# KiCad board 8851_HW-U1-VCU118_REV2-0_071417.kicad_pcb (continued)
## Routing (per net, layer and track width the routed paths; a pad name or vN(x,y) marks a point on that pad's centre or on a via; arc(x,y) is an arc through that point) (continued)
RLD3_C3_72B_A12: length 153.2
  TOP w0.15: 96.2,73.17 v2(95.71,73.66) ; 73.64,110.89 v2(73.15,110.4) ; U141.H11 v2(96.68,113.51)
  TOP w0.237: U141.H11 96.69,114.5 98.62,114.5 99.1,114.97 100.1,114.97 100.34,114.73
  TOP w0.375: v2(125.23,85.48) U1.C32
  07_SIG3 w0.17: v2(73.15,110.4) 72.66,109.91 67.98,109.91 67.71,110.17 67.71,110.32 67.44,110.59 66.73,110.59 ; v2(95.71,73.66) 95.42,73.66 94.92,74.16 94.52,74.16 94.23,74.44 94.23,74.79 93.88,75.14 93.52,75.14 93.22,75.44 93.22,75.93 92.9,76.25
  07_SIG3 w0.287: 66.73,110.59 66.44,110.59 66.23,110.38 66.23,109.54 66.07,109.38 65.76,109.38 65.61,109.53 65.61,110.43 65.32,110.72 64.69,110.72 64.67,110.7 63.9,110.7 63.77,110.83 63.77,111.97 64.67,112.88 64.67,114.89 64.47,115.09 63.63,115.09 63.42,114.89 63.42,113.85 63.65,113.62 63.65,112.95 62.85,112.15 62.85,111.05 62.12,110.33 62.12,109.08 62.6,108.6 62.6,105.75 63.12,105.22 63.12,105.2 64.08,104.25 65.95,104.25 66.65,103.55 68.92,103.55 69.83,104.45 70.33,104.45 71.17,103.6 74.97,103.6 75.47,103.1 76.62,103.1 77.1,102.62 77.1,102.08 76.88,101.85 76.01,101.85 75.62,101.47 75.62,100.37 77.18,98.82 77.18,98.62 77.62,98.18 80.41,98.18 81.12,97.46 81.12,94.33 80.25,93.45 73.3,93.45 73.05,93.2 73.05,87.79 74.05,86.79 74.53,86.79 74.75,87.02 75.12,87.02 75.34,86.79 75.77,86.79 76.03,87.06 76.32,87.06 76.58,86.79 77.01,86.79 77.25,87.03 77.59,87.03 77.86,86.76 80.21,86.76 81.41,87.96 82.69,87.96 82.79,87.86 84.87,87.86 88.71,84.01 88.71,83.74 88.72,83.72 88.72,80.42 92.9,76.25
  14_SIG4 w0.087: v2(96.68,113.51) 96.68,113.74 95.22,115.2 95.22,115.63 94.89,115.96 94.54,115.96 94.22,116.28 94.22,116.64 93.9,116.95 93.43,116.95 92.45,117.93 91.59,117.93 91.27,118.25 91.27,118.6 90.94,118.93 87.61,118.93 87.32,119.22 87.32,119.63 87.02,119.93 85.67,119.93 84.17,121.42 83.92,121.42 83.63,121.7 75.88,121.7 75.6,121.43 75.6,121.04 75.31,120.75 74.96,120.75 73.63,119.42 73.63,119.07 73.32,118.76 72.98,118.76 72.66,118.44 72.66,118.11 72.33,117.78 72,117.78 71.68,117.46 71.68,116.12 71.38,115.83 70.99,115.83 70.69,115.53 70.69,112.16 70.97,111.88 71.4,111.88 71.67,111.6 71.67,111.14 71.93,110.88 72.67,110.88 v2(73.15,110.4)
RLD3_C3_72B_A13: length 154.9
  TOP w0.15: 97.18,71.2 v2(96.69,71.7) ; 77.58,108.92 v2(78.07,108.43) ; U141.D13 v2(98.65,118.43)
  TOP w0.237: v2(99.64,118.43) 100.06,118.86 100.34,118.86
  03_SIG1 w0.17: 82.49,107.1 82.49,107.77 82.36,107.9 81.61,107.9 81.53,107.82 81.53,107.4 81.42,107.3 80.75,107.3 80.54,107.51 80.54,107.77 80.37,107.94 78.85,107.94 78.35,108.43 v2(78.07,108.43) ; v2(98.65,118.43) 98.33,118.43 98.17,118.27 98.17,117.11 98.01,116.95 97.42,116.95 97.17,116.7 97.17,114.84 96.19,113.86 96.19,112.31 96.47,112.03 96.92,112.03 97.17,111.78 97.17,109.37 96.88,109.08 96.42,109.08 96.19,108.84 96.19,108.36 96.33,108.22 96.33,107.96 96.41,107.88 96.73,107.88 96.82,107.79 96.82,107.54 96.73,107.45 96.41,107.45 96.33,107.36 96.33,107.22 95.85,106.75
  03_SIG1 w0.287: 95.85,106.75 95.45,106.35 94.41,106.35 94.05,105.99 94.05,105.18 93.67,104.8 92.79,104.8 92.45,105.14 92.45,105.64 92.91,106.1 92.91,106.33 92.67,106.57 92.38,106.57 92.16,106.35 86.58,106.35 86.37,106.55 85.05,106.55 84.84,106.35 84.84,106.18 85.05,105.97 85.05,105.7 84.57,105.23 84.16,105.23 84.02,105.37 84.02,105.78 84.1,105.87 84.1,106.27 83.7,106.68 83.29,106.68 83.2,106.59 82.8,106.59 82.49,106.89 82.49,107.1
  05_SIG2 w0.17: 95.21,87.8 95.21,83.29 95.49,83.01 95.97,83.01 96.2,82.79 96.2,82.31 96.48,82.03 96.96,82.03 97.18,81.81 97.18,81.29 97.43,81.05 97.94,81.05 98.17,80.82 98.17,80.29 98.39,80.06 105.91,80.06 106.04,79.93 106.04,78.22 106.21,78.05 106.75,78.05 107,77.8 107,74.38 106.83,74.2 104.24,74.2 104.07,74.37 104.07,74.84 103.77,75.14 98.34,75.14 98.17,74.97 98.17,74.52 97.85,74.2 97.35,74.2 97.18,74.03 97.18,73.43 96.92,73.17 96.42,73.17 96.2,72.94 96.2,72.19 v2(96.69,71.7) ; 87.7,106.75 86.42,108.02 83.66,108.02 83.38,108.31 83.38,112.85 83.53,113 84.45,113 85.42,113.97 85.79,113.97 86,114.18 86,114.61 85.71,114.9 84.5,114.9 84.37,115.03 84.37,116.06 84.45,116.14 85.11,116.14 85.2,116.23 85.2,116.43 85.11,116.52 84.5,116.52 84.44,116.58 84.44,116.79 84.3,116.93 82.86,116.93 82.55,116.62 82.55,116.41 82.66,116.3 83.34,116.3 83.42,116.21 83.42,116.01 83.34,115.92 82.61,115.92 82.53,115.83 82.53,115.62 82.61,115.53 83.89,115.53 83.97,115.44 83.97,115.17 83.86,115.05 82.61,115.05 82.53,114.97 82.53,114.69 82.64,114.58 84.06,114.58 84.15,114.49 84.15,114.14 84.04,114.03 82.61,114.03 82.53,113.94 82.53,111.52 82.61,111.43 82.88,111.43 82.96,111.34 82.96,110.99 82.88,110.9 82.61,110.9 82.53,110.81 82.53,110.41 82.61,110.33 82.88,110.33 82.96,110.24 82.96,110.06 82.88,109.98 82.61,109.98 82.53,109.89 82.53,109.15 82.3,108.92 78.22,108.92 78.07,108.77 v2(78.07,108.43)
  05_SIG2 w0.287: 95.21,87.8 95.21,88.74 98.08,91.6 98.08,95.15 95.88,97.35 95.88,99.05 96.08,99.25 96.08,99.99 96.05,100.02 96.05,100.47 97.53,101.95 97.53,103.6 95.53,105.6 95.53,105.65 94.75,106.42 88.03,106.42 87.7,106.75
  BOTTOM w0.237: v2(99.64,118.43) v2(98.65,118.43)
RLD3_C3_72B_A14: length 160.9
  TOP w0.15: 98.17,70.22 v2(97.67,70.71) ; 73.64,118.77 v2(73.15,119.26) ; U141.H3 v2(87.82,113.51)
  TOP w0.237: R958.2 83.22,110.22 v2(83.89,109.55)
  TOP w0.375: v2(122.28,83.51) U1.E29
  03_SIG1 w0.17: v2(73.15,119.26) 73.15,119.56 72.66,120.05 72.66,121.59 72.55,121.71 71.83,121.71 71.68,121.56 71.68,119.94 71.87,119.75 72.42,119.75 72.66,119.52 72.66,118.98 72.45,118.77 71.94,118.77 71.68,118.5 71.68,115.03 71.5,114.85 71.22,114.85 71.05,114.68 71.05,114.03 71.19,113.89 71.49,113.89 71.68,113.7 71.68,113.15 71.96,112.86 73.44,112.86 73.65,113.07 73.65,113.27 73.76,113.38 73.95,113.38 74.06,113.27 74.06,112.88 74.17,112.77 74.31,112.77 74.42,112.89 74.42,113.4 74.9,113.88 75.26,113.88 75.53,114.15 75.94,114.15 76.21,113.88 76.62,113.88 76.89,114.15 77.3,114.15 77.57,113.88 77.98,113.88 78.25,114.15 78.66,114.15 78.93,113.88 79.34,113.88 79.61,114.15 80.02,114.15 80.29,113.88 80.7,113.88 80.97,114.15 81.38,114.15 81.65,113.88 82.38,113.88 82.55,113.7 82.55,113.47 82.67,113.35 83.22,113.35 83.35,113.47 83.35,113.6 83.22,113.72 83.05,113.72 82.9,113.88 82.9,114.34 83.11,114.55 83.31,114.55 83.4,114.46 83.4,114.11 83.49,114.02 83.67,114.02 83.78,114.12 83.78,114.27 83.85,114.35 84.1,114.35 84.2,114.25 84.2,113.95 84.32,113.83 84.45,113.83 84.58,113.95 84.58,114.27 84.66,114.35 84.86,114.35 84.95,114.27 84.95,113.35 85.07,113.24 85.2,113.24 85.33,113.36 85.33,114.15 85.43,114.25 85.79,114.25 86.05,113.99 86.35,113.69 86.35,113.31 86.64,113.01 88.02,113.01 88.19,113.19 88.19,113.42 88.11,113.51 v2(87.82,113.51)
  05_SIG2 w0.17: 73.88,122.85 73.88,122.45 73.76,122.33 73.23,122.33 73.14,122.24 73.14,122.04 73.22,121.96 73.76,121.96 73.84,121.87 73.84,121.67 73.93,121.58 74.12,121.58 74.21,121.49 74.21,121.32 74.12,121.23 73.93,121.23 73.84,121.14 73.84,120.97 73.93,120.88 74.12,120.88 74.21,120.79 74.21,120.62 74.12,120.53 73.93,120.53 73.84,120.44 73.84,120.21 73.93,120.12 74.26,120.12 74.35,120.03 74.35,119.86 74.26,119.77 73.93,119.77 73.84,119.68 73.84,119.4 73.7,119.26 v2(73.15,119.26) ; v2(97.67,70.71) 97.44,70.71 96.95,70.22 93.22,70.22 93.05,70.05 92.9,70.05
  05_SIG2 w0.258: v2(87.82,113.51) 87.82,113.24 87.33,112.75 87.33,112.32 87.04,112.03 86.63,112.03 86.35,111.74 86.35,111.33 86.06,111.05 85.38,111.05 v2(83.89,109.55)
  05_SIG2 w0.287: 92.9,70.05 92.74,70.05 89.1,73.69 89.1,91.77 89.53,92.2 89.53,95.06 87.52,97.07 84.18,97.07 82.8,98.45 82.8,99.05 81.97,99.88 81.55,99.88 80.55,100.88 77.97,100.88 77.73,101.11 77.73,101.57 77.56,101.74 76.81,101.74 76.64,101.58 76.64,101.09 76.49,100.93 74.44,100.93 73.5,101.87 73.5,102.35 73.05,102.8 72.47,102.8 70.82,104.45 69.13,104.45 68.32,103.64 65.01,103.64 62.59,106.06 62.59,123.72 63.87,125 64.74,125 65.27,125.53 66.65,125.53 67.01,125.17 73.4,125.17 73.65,124.92 73.65,124.45 73.91,124.2 74.26,124.2 74.52,124.45 74.52,124.92 74.77,125.17 75.47,125.17 75.95,124.7 75.95,123.42 75.6,123.08 74.1,123.08 73.88,122.85
RLD3_C3_72B_A15: length 157.9
  TOP w0.15: 74.63,119.75 v2(75.12,120.24) ; 99.15,70.22 v2(98.66,70.71) ; U141.G2 v2(86.84,115.47)
  TOP w0.237: v2(83.89,112.52) 83.73,112.37 R959.2
  05_SIG2 w0.17: v2(98.66,70.71) 98.27,70.71 97.76,70.2 97.45,70.2 97.2,69.95 97.2,69.41 97.02,69.24 92.9,69.24 ; v2(75.12,120.24) 74.62,120.74 74.62,121.85 74.85,122.08 76.3,122.08 76.78,122.55 76.78,122.85
  05_SIG2 w0.258: v2(86.84,115.47) 86.84,114.38 86.35,113.88 86.35,113.3 86.06,113.01 85.41,113.01 84.92,112.52 v2(83.89,112.52)
  05_SIG2 w0.287: 92.9,69.24 92.62,69.24 88.44,73.42 88.44,92.29 88.86,92.71 88.86,94.79 87.42,96.23 83.97,96.23 80.79,99.4 80.1,99.4 79.9,99.6 79.9,99.9 79.7,100.1 79.43,100.1 79.25,99.92 79.25,99.75 79.05,99.55 78.9,99.55 78.37,100.08 72.94,100.08 72.92,100.06 71.85,100.06 71.33,100.58 71.33,102.56 70.91,102.97 64.09,102.97 61.92,105.14 61.92,124.24 64.05,126.36 66.96,126.36 67.35,125.97 76.47,125.97 76.78,125.67 76.78,122.85
  07_SIG3 w0.17: v2(86.84,115.47) 87.33,115.97 87.33,121.86 87.7,122.22 87.7,122.64 ; 73.97,122.85 73.97,122.6 74.3,122.27 76.49,122.27 76.59,122.18 76.59,121.88 76.49,121.78 74.23,121.78 74.12,121.67 74.12,121.38 74.22,121.28 74.5,121.28 74.59,121.19 74.59,120.83 74.52,120.75 74.18,120.75 74.12,120.69 74.12,119.96 74.25,119.82 74.45,119.82 74.87,120.24 v2(75.12,120.24)
  07_SIG3 w0.287: 87.7,122.64 87.7,125.45 87.2,125.95 84.15,125.95 83.35,126.75 83.35,128.18 82.42,129.1 79.38,129.1 78.15,127.88 76.8,127.88 73.97,125.05 73.97,122.85
RLD3_C3_72B_A16: length 157.7
  TOP w0.15: 97.18,73.17 v2(96.69,73.66) ; v2(88.81,113.51) U141.H4 ; 73.64,117.78 v2(73.15,118.27)
  TOP w0.237: R960.2 83.22,109.24 v2(83.89,108.57)
  05_SIG2 w0.258: v2(83.89,108.57) 85.38,110.06 86.06,110.06 86.35,110.35 86.35,110.76 86.63,111.05 87.04,111.05 87.33,111.33 87.33,111.74 87.62,112.03 88.03,112.03 88.31,112.32 88.31,113.01 v2(88.81,113.51)
  07_SIG3 w0.17: 73.27,122.85 73.27,122.28 73.6,121.95 73.6,118.72 v2(73.15,118.27) ; 88.38,122.64 88.38,121.01 88.52,120.87 89.07,120.87 89.32,120.62 89.32,120.18 89.6,119.9 89.94,119.9 90.28,119.56 90.28,114.98 v2(88.81,113.51)
  07_SIG3 w0.287: 88.38,122.64 88.38,125.89 86.6,127.67 86.6,128.35 85.83,129.12 84.15,129.12 83.5,129.78 74.92,129.78 74.42,129.28 74.42,128.45 74.83,128.05 74.83,126.9 73.27,125.34 73.27,122.85
  20_SIG7 w0.087: v2(73.15,118.27) 73.69,118.82 73.69,119.91 ; v2(96.69,73.66) 97.18,74.16 97.18,74.85 96.89,75.14 96.49,75.14 96.2,75.43 96.2,75.84 95.91,76.12 95.5,76.12 95.21,76.41 95.21,76.82 94.93,77.11 94.54,77.11 94.28,77.38 94.28,77.83 94.03,78.08 92.9,78.08
  20_SIG7 w0.155: 73.69,119.91 73.69,120.14 74.02,120.46 74.02,121.59 73.3,122.31 68.12,122.31 67.83,122.6 67.83,124.33 68.24,124.74 71.27,124.74 71.65,125.12 71.65,129.83 72.33,130.51 85.84,130.51 86.62,129.72 86.62,125.47 85.16,124.01 85.16,122.71 85.36,122.51 85.36,107.44 87,105.81 87,105.45 87.25,105.2 91.12,105.2 91.55,104.77 91.55,103.55 93.47,101.62 93.47,99.77 93.85,99.4 93.85,89.02 91.63,86.8 91.63,78.97 92.53,78.08 92.9,78.08
RLD3_C3_72B_A17: length 154.6
  TOP w0.15: U141.H10 v2(95.7,113.51) ; v2(97.67,73.66) 98.17,73.17 ; 73.64,111.88 v2(73.15,111.38)
  07_SIG3 w0.17: 67.83,112.87 68.56,112.87 68.73,112.7 68.73,112.15 69.01,111.88 72.42,111.88 72.92,111.38 v2(73.15,111.38) ; 78.57,107.1 78.57,107.67 78.31,107.93 77.83,107.93 77.58,108.17 77.58,109.62 77.29,109.91 75.85,109.91 75.6,110.16 75.6,110.61 75.32,110.89 74.85,110.89 74.58,110.62 73.62,110.62 73.35,110.89 67.91,110.89 67.83,110.98 ; v2(97.67,73.66) 97.67,73.95 97.18,74.44 97.18,75.82 96.88,76.12 96.45,76.12 96.2,76.38 96.2,77.8 95.91,78.09 95.5,78.09 95.21,78.38 95.21,78.79 94.93,79.08 94.52,79.08 94.23,79.37 94.23,79.77 93.94,80.06 93.11,80.06 92.9,80.27
  07_SIG3 w0.287: 92.9,80.27 91.69,81.48 91.69,91.71 88.89,94.51 88.89,94.77 88.29,95.37 88.29,95.64 88.85,96.2 88.85,96.47 88.58,96.75 88.35,96.75 87.62,96.02 87.03,96.02 86.74,96.31 86.74,96.81 87.03,97.1 87.97,97.1 88.05,97.17 88.06,97.17 88.37,97.48 88.37,97.9 88.24,98.03 88.24,98.28 88.4,98.43 88.77,98.43 88.92,98.59 88.92,98.9 88.77,99.05 88.4,99.05 88.22,99.23 88.22,99.86 88.11,99.96 87.71,99.96 87.45,99.7 87.45,99.61 87.3,99.45 87,99.45 86.83,99.27 86.83,98.99 86.98,98.83 87.3,98.83 87.45,98.68 87.45,98.35 87.35,98.25 86.28,98.25 85.92,97.9 85.92,97.45 86.08,97.3 86.08,96.24 85.74,95.9 85.5,95.9 85.17,96.23 85.17,99.18 84.04,100.31 83.44,100.31 82.92,100.83 82.92,101.05 83.1,101.22 83.1,101.56 82.81,101.85 82.6,101.85 82.4,102.05 82.4,103.4 82.02,103.78 81.78,103.78 81.62,103.62 81.38,103.62 81.21,103.79 81.21,104.03 81.37,104.19 81.37,104.43 80.68,105.12 80.44,105.12 80.33,105.01 80.09,105.01 79.93,105.17 79.93,105.41 80.04,105.52 80.04,105.76 79.83,105.97 79.83,106.39 79.39,106.83 78.72,106.83 78.57,106.98 78.57,107.1 ; 67.83,112.87 67.33,112.87 66.56,113.63 66.56,118.94 66.91,119.29 67.25,119.29 67.48,119.52 67.48,120.66 67.27,120.86 65.84,120.86 65.56,120.58 65.56,119.57 65.27,119.29 63.97,119.29 63.69,119 63.69,118.42 63.97,118.14 65.27,118.14 65.56,117.85 65.56,117.27 65.27,116.99 63.97,116.99 63.69,116.7 63.69,116.12 63.97,115.84 65.27,115.84 65.56,115.55 65.56,113.43 67.6,111.38 67.6,111.2 67.83,110.98
  14_SIG4 w0.087: v2(73.15,111.38) 72.87,111.38 72.37,111.88 71.95,111.88 71.69,112.15 71.69,113.53 71.38,113.83 71.12,113.83 71.02,113.93 71.02,114.71 71.13,114.83 71.37,114.83 71.48,114.71 71.48,114.24 71.59,114.13 71.74,114.13 71.85,114.24 71.85,114.74 71.96,114.84 72.26,114.84 72.33,114.78 72.33,114.17 72.43,114.08 73.88,114.08 74.6,114.8 76.35,114.8 76.59,115.04 76.59,115.62 76.79,115.81 77.31,115.81 77.59,116.1 77.59,116.5 77.89,116.8 79.24,116.8 79.54,117.09 79.54,117.51 79.81,117.78 82.23,117.78 82.51,117.5 82.51,117.14 82.6,117.05 82.78,117.05 83.12,117.39 83.26,117.39 83.44,117.2 83.44,117.02 83.12,116.7 83.12,116.53 83.97,115.68 84.28,115.68 84.58,115.98 85.09,115.98 85.38,115.69 85.38,114.95 85.75,114.58 89.74,114.58 90.14,114.98 94.86,114.98 96.09,113.76 96.09,113.57 96.03,113.51 v2(95.7,113.51)
  BOTTOM w0.237: 100.34,112.86 99.97,112.86 v2(99.64,112.52) 99.16,113 97.47,113 97.47,113 96.2,113 v2(95.7,113.51)
RLD3_C3_72B_A18: length 155.3
  TOP w0.15: 74.63,109.91 v2(75.12,109.41) ; 97.18,72.19 v2(96.69,72.68) ; U141.G12 v2(97.67,115.48)
  03_SIG1 w0.17: v2(75.12,109.41) 75.12,109.11 75.62,108.62 75.62,108.16 75.84,107.94 78.28,107.94 78.57,107.66 78.57,107.11 78.57,107.1 ; v2(97.67,115.48) 97.67,114.27 97.17,113.77 97.17,112.3 97.45,112.02 97.9,112.02 98.15,111.77 98.15,109.35 97.88,109.08 97.43,109.08 97.17,108.82 97.17,108.12 97.27,108.02 97.63,108.02 97.72,107.93 97.72,107.76 97.63,107.67 97.27,107.67 97.19,107.58 97.19,107.12 96.81,106.75
  03_SIG1 w0.287: 78.57,107.1 78.87,106.8 81.65,106.8 84.36,104.09 84.7,104.09 84.99,104.38 84.99,104.71 85.28,105 85.58,105 85.87,104.71 85.87,104.38 86.16,104.09 86.49,104.09 86.76,104.36 86.76,104.7 87.06,105 87.42,105 87.72,104.7 87.72,104.36 88,104.09 88.33,104.09 88.6,104.35 88.6,104.69 88.89,104.99 89.3,104.99 89.59,104.7 89.59,104.36 89.87,104.09 90.33,104.09 90.59,104.35 90.59,104.69 90.89,104.99 91.23,104.99 91.56,104.66 91.56,104.32 91.79,104.09 94.15,104.09 96.81,106.75
  07_SIG3 w0.17: v2(75.12,109.41) 74.59,109.41 74.4,109.22 74.4,108.35 74.22,108.17 73.69,108.17 73.46,107.94 67.83,107.94 ; 92.9,78.3 93.15,78.05 93.95,78.05 94.22,77.78 94.22,76.32 94.4,76.15 94.98,76.15 95.21,75.92 95.21,74.44 95.5,74.16 95.94,74.16 96.2,73.9 96.2,73.4 96.69,72.91 v2(96.69,72.68)
  07_SIG3 w0.287: 92.9,78.3 90.22,80.98 90.22,84.43 89.57,85.08 89.57,85.3 89.91,85.65 89.91,85.87 89.69,86.08 89.47,86.08 89.13,85.74 88.91,85.74 88.69,85.96 88.69,86.18 89.03,86.52 89.03,86.74 88.81,86.96 88.59,86.96 88.25,86.62 88.03,86.62 87.81,86.84 87.81,87.06 88.16,87.4 88.16,87.62 87.94,87.84 87.72,87.84 87.37,87.49 87.16,87.49 86.94,87.71 86.94,87.93 87.28,88.28 87.28,88.5 87.06,88.72 86.84,88.72 86.5,88.37 86.28,88.37 86.06,88.59 86.06,88.81 86.4,89.15 86.4,89.37 86.18,89.59 85.96,89.59 85.62,89.25 85.4,89.25 84.9,89.75 82.33,89.75 81.98,90.09 81.33,90.09 81.15,90.27 81.15,90.85 81.39,91.09 82.45,91.09 82.62,90.92 82.62,90.44 82.78,90.27 83.02,90.27 83.19,90.44 83.19,90.92 83.36,91.09 83.6,91.09 83.77,90.92 83.77,90.44 83.93,90.27 84.17,90.27 84.34,90.44 84.34,90.92 84.51,91.09 85.22,91.09 85.38,91.24 85.38,91.53 85.19,91.71 83.73,91.71 83.58,91.86 83.58,97.23 83.34,97.46 83.12,97.46 82.97,97.31 82.97,92.19 82.48,91.71 81.34,91.71 81.18,91.87 81.18,92.32 81.47,92.61 82.12,92.61 82.47,92.96 82.47,98 82.79,98.32 82.79,99.05 82.37,99.48 81.31,99.48 80.69,100.1 78,100.1 77.88,100.23 77.88,100.58 78.09,100.79 79.76,100.79 79.92,100.95 79.92,102.5 79.6,102.83 78.85,102.83 77.22,104.45 76.08,104.45 75.58,104.95 71.75,104.95 70.9,105.8 70.04,105.8 69.88,105.96 69.88,106.83 69.78,106.92 69.33,106.92 69.24,106.82 69.24,105.91 69.03,105.7 68.72,105.7 68.57,105.86 68.57,106.96 68.45,107.08 68.14,107.08 67.95,106.89 67.95,105.27 67.74,105.06 67.51,105.06 66.97,105.6 65.94,105.6 65.65,105.89 65.65,106.32 65.81,106.48 66.3,106.48 66.47,106.66 66.47,106.94 66.32,107.1 65.81,107.1 65.65,107.25 65.65,107.6 66.04,107.99 67.47,107.99 67.53,107.94 67.83,107.94
  BOTTOM w0.237: 100.34,114.73 100.1,114.97 99.38,114.97 99.38,114.96 98.18,114.96 v2(97.67,115.48)
RLD3_C3_72B_A19: length 153
  TOP w0.15: 73.64,120.74 v2(73.15,121.23) ; U141.H1 v2(85.85,113.51) ; v2(97.67,72.68) 98.17,72.19
  TOP w0.237: R963.2 83.22,113.89 83.38,114.06 85.3,114.06 v2(85.85,113.51)
  03_SIG1 w0.17: v2(85.85,113.51) 85.85,113.29 86.35,112.8 86.35,112.3 86.62,112.03 88.01,112.03 88.31,112.33 88.31,112.71 88.62,113.01 92.08,113.01 92.22,113.16 92.22,115.24 92.58,115.59 92.58,116.5 92.12,116.95 91.51,116.95 91.27,117.19 91.27,117.73 91.07,117.92 90.51,117.92 90.28,118.16 90.28,118.68 90.05,118.91 89.57,118.91 89.31,119.17 89.31,119.6 89.01,119.9 88.57,119.9 88.33,120.15 88.33,120.6 88.03,120.89 87.52,120.89 87.33,121.08 87.33,121.64 87.1,121.88 86.25,121.88 86.05,121.68 86.05,121.52 85.91,121.38 85.6,121.38 85.43,121.55 85.43,121.8 85.26,121.97 84.92,121.97 84.75,121.8 84.75,121.55 84.58,121.38 83.92,121.38 83.6,121.7 83.6,121.92 83.43,122.09 81.35,122.09 81.26,122.18 81.26,122.32 81.17,122.41 81,122.41 80.91,122.32 80.91,122.18 80.82,122.09 80.65,122.09 80.56,122.18 80.56,122.32 80.47,122.41 80.3,122.41 80.21,122.32 80.21,122.18 80.12,122.09 79.95,122.09 79.86,122.18 79.86,122.32 79.77,122.41 79.6,122.41 79.51,122.32 79.51,122.18 79.42,122.09 79.25,122.09 79.16,122.18 79.16,122.32 79.07,122.41 78.9,122.41 78.81,122.32 78.81,122.18 78.72,122.09 78.4,122.09 78.31,122.18 78.31,122.3 78.21,122.41 77.97,122.41 77.85,122.3 77.85,122.18 77.77,122.09 77.55,122.09 77.42,122.22 77.42,122.27 77.3,122.4 77.02,122.4 76.89,122.27 76.89,122.25 76.74,122.09 76.5,122.09 76.38,122.22 76.38,122.27 76.23,122.42 75.97,122.42 75.85,122.3 75.85,122.22 75.72,122.09 75.47,122.09 75.33,122.24 75.33,122.3 75.2,122.42 74.95,122.42 74.83,122.3 74.83,122.22 74.69,122.09 74.41,122.09 74.3,122.2 74.3,122.3 74.18,122.42 73.88,122.42 73.79,122.33 73.79,122.14 73.7,122.05 73.45,122.05 73.37,122.14 73.37,122.33 73.28,122.42 72.83,122.42 72.69,122.28 72.69,122.11 72.81,121.99 72.98,121.99 73.33,121.64 73.33,121.4 v2(73.15,121.23)
  20_SIG7 w0.087: 89.9,106.75 89.3,107.35 89.3,109.82 89.06,110.06 86.64,110.06 86.35,110.35 86.35,121.75 86.28,121.83 86.28,122.64 ; v2(97.67,72.68) 98.17,73.17 98.17,74.85 97.88,75.14 97.47,75.14 97.18,75.43 97.18,75.84 96.89,76.12 96.49,76.12 96.2,76.41 96.2,76.82 95.91,77.11 95.5,77.11 95.21,77.4 95.21,77.81 94.93,78.09 94.52,78.09 94.23,78.38 94.23,78.81 93.96,79.08 93.25,79.08 92.9,79.43
  20_SIG7 w0.155: 92.9,79.43 92.29,80.04 92.29,86.7 94.74,89.15 94.74,95.46 94.41,95.79 94.41,99.51 94.62,99.72 94.62,100.62 94,101.24 94,101.92 92.3,103.62 92.3,105.75 91.65,106.4 90.25,106.4 89.9,106.75 ; v2(73.15,121.23) 73.15,121.54 72.9,121.79 67.72,121.79 67.23,122.28 67.23,124.99 67.88,125.64 69.14,125.64 69.88,126.38 69.88,130.46 70.47,131.05 88.18,131.05 88.38,130.85 88.38,130.3 87.78,129.7 87.78,124.6 86.28,123.1 86.28,122.64
RLD3_C3_72B_A20: length 161
  TOP w0.15: 75.61,119.75 v2(76.1,120.24) ; v2(107.52,69.73) 108.01,69.24 ; U141.F2 v2(86.84,116.46)
  TOP w0.375: U1.R28 v2(121.3,73.66) ; U142.F2 v2(69.21,116.31)
  14_SIG4 w0.087: v2(76.1,120.24) 75.72,120.24 75.59,120.37 75.59,120.54 75.78,120.74 77.49,120.74 77.58,120.65 77.58,120.08 77.89,119.77 78.31,119.77 78.55,120 78.55,120.57 78.71,120.74 80.48,120.74 80.57,120.82 80.57,121.26 80.66,121.34 80.83,121.34 80.92,121.26 80.92,120.82 81.01,120.74 81.14,120.74 81.27,120.87 81.27,121.24 81.35,121.32 81.53,121.32 81.65,121.21 81.65,120.31 81.76,120.2 82.78,120.2 83.09,120.51 83.09,121.3 83.18,121.39 83.33,121.39 83.44,121.28 83.44,120.51 83.53,120.42 83.7,120.42 83.79,120.51 83.79,120.99 83.88,121.08 84.05,121.08 84.14,120.99 84.14,120.51 84.23,120.42 84.74,120.42 84.83,120.33 84.83,120.11 84.72,120.01 83.05,120.01 82.98,119.93 82.98,119.69 83.09,119.58 83.98,119.58 84.63,118.93 85.19,118.93 85.3,118.82 85.3,118.14 85.53,117.91 86.07,117.91 86.35,118.2 86.35,118.8 86.49,118.93 87.08,118.93 87.31,118.71 87.31,118.19 87.59,117.92 88.19,117.92 88.29,117.81 88.29,117.24 88.57,116.96 88.99,116.96 89.31,117.29 89.31,117.81 89.44,117.94 91.06,117.94 91.25,117.75 91.25,117.2 90.99,116.94 89.54,116.94 89.32,116.72 89.32,116.15 89.14,115.97 88.43,115.97 88.31,116.1 88.31,116.64 88.02,116.93 87.61,116.93 87.35,117.19 87.35,117.67 87.06,117.96 86.62,117.96 86.33,117.67 86.33,117.21 86.61,116.93 87.19,116.93 87.35,116.78 87.35,116.57 87.24,116.46 v2(86.84,116.46)
  20_SIG7 w0.087: 92.9,77.1 93.97,77.1 94.3,76.77 94.3,76.4 94.58,76.12 94.97,76.12 95.25,75.85 95.25,74.45 95.55,74.15 96.05,74.15 96.22,73.97 96.22,73.45 96.53,73.15 97,73.15 97.22,72.92 97.22,72.47 97.53,72.17 105.78,72.17 106.08,71.88 106.08,70.4 106.33,70.15 107,70.15 107.42,69.73 v2(107.52,69.73)
  20_SIG7 w0.155: v2(76.1,120.24) 75.62,120.72 75.62,122.77 75.37,123.02 74.3,123.02 74.1,123.22 74.1,123.94 73.94,124.1 73.38,124.1 73.25,123.97 73.25,123.33 72.95,123.02 68.75,123.02 68.53,123.25 68.53,123.65 68.72,123.85 72.05,123.85 72.33,124.12 72.33,125.4 72.58,125.65 73.78,125.65 74.9,126.77 74.9,128.22 74.62,128.5 74.62,129.47 75.04,129.89 82.96,129.89 83.38,129.47 83.38,123.57 84.75,122.2 84.75,120.97 84.38,120.6 84.38,106.62 86.35,104.65 89.3,104.65 92.15,101.8 92.15,97.66 93.25,96.56 93.25,89.27 90.88,86.9 90.88,78.69 92.47,77.1 92.9,77.1
  BOTTOM w0.237: 84.88,116.39 85.29,115.97 86.35,115.97 v2(86.84,116.46)
RLD3_C3_72B_BA0: length 159.8
  TOP w0.15: v2(97.67,74.65) 98.17,74.16 ; 74.63,112.86 v2(75.12,112.37) ; U141.G9 v2(94.71,115.47)
  03_SIG1 w0.17: v2(94.71,115.47) 94.71,115.19 94.03,114.5 93.45,114.5 93.26,114.31 93.26,112.16 93.4,112.02 93.98,112.02 94.22,111.78 94.22,110.21 94.07,110.06 93.51,110.06 92.53,109.08 85.05,109.08 84.06,110.06 83.19,110.06 82.36,110.89 74.82,110.89 74.16,110.24 74.16,109.06 74.03,108.92 73.8,108.92 73.67,109.05 73.67,109.73 73.5,109.91 69.98,109.91 69.71,110.18 69.71,110.73 69.87,110.89 73.64,110.89 v2(75.12,112.37)
  07_SIG3 w0.17: 81.39,107.1 81.39,107.36 80.54,108.22 80.54,109.8 80.44,109.9 79.8,109.9 79.56,110.13 79.56,110.76 79.71,110.9 80.39,110.9 80.54,111.04 80.54,111.71 80.37,111.87 78.68,111.87 78.55,111.75 78.55,111.15 78.28,110.88 77.89,110.88 77.57,111.2 77.57,111.64 77.34,111.88 75.92,111.88 75.43,112.37 v2(75.12,112.37) ; v2(97.67,74.65) 98.15,74.17 99.88,74.17 100.08,74.38 100.08,75.75 100.43,76.11 100.82,76.11 101.08,75.85 101.08,75.3 101.28,75.1 103.79,75.1 104.01,75.32 104.01,75.95 103.8,76.16 101.27,76.16 101.06,76.38 101.06,76.86 100.84,77.08 100.42,77.08 100.14,76.8 100.14,76.34 99.96,76.16 98.51,76.16 98.24,76.43 98.24,77.88 98.43,78.07 98.88,78.07 99.13,77.81 99.13,77.28 99.3,77.11 99.94,77.11 100.15,77.32 100.15,77.87 100.37,78.09 100.83,78.09 101.1,77.82 101.1,77.28 101.27,77.11 102.83,77.11 103.03,77.31 103.03,78.93 102.82,79.13 102.25,79.13 102.12,78.99 102.12,78.14 102.01,78.03 101.35,78.03 101.18,78.21 101.18,78.91 101.02,79.08 100.25,79.08 100.07,78.89 100.07,78.26 99.85,78.04 99.36,78.04 99.1,78.3 99.1,78.92 98.95,79.08 98.3,79.08 98.12,78.9 98.12,78.26 97.97,78.1 97.49,78.1 97.23,78.36 97.23,78.86 97.02,79.08 96.49,79.08 96.2,79.37 96.2,79.77 95.91,80.06 95.5,80.06 95.21,80.35 95.21,80.76 94.93,81.05 94.52,81.05 94.23,81.33 94.23,81.74 93.94,82.03 93.4,82.03 92.95,82.47 92.95,87.17 93.02,87.23
  07_SIG3 w0.287: 81.39,107.1 81.39,106.36 85.01,102.74 86.83,102.74 86.9,102.67 87.14,102.67 87.31,102.83 87.31,103.36 87.48,103.52 87.72,103.52 87.89,103.36 87.89,102.4 88.08,102.21 88.3,102.21 88.46,102.37 88.46,103.36 88.63,103.52 88.87,103.52 89.04,103.36 89.04,102.35 89.21,102.17 89.45,102.17 89.61,102.33 89.61,103.36 89.78,103.52 90.02,103.52 90.19,103.36 90.19,102.83 90.35,102.67 90.59,102.67 90.76,102.83 90.76,103.36 90.93,103.52 91.17,103.52 91.34,103.36 91.34,102.83 91.5,102.67 91.74,102.67 91.91,102.83 91.91,103.36 92.08,103.52 92.87,103.52 93.09,103.3 93.09,102.72 91.79,101.41 91.38,101.41 90.78,102.02 90.27,102.02 89.9,101.65 89.9,101.25 90.19,100.96 90.59,100.96 90.87,100.67 90.87,96.15 90.49,95.77 90.49,95.43 90.68,95.24 91.02,95.24 91.69,95.91 91.89,95.91 93.02,94.78 93.02,87.23
  BOTTOM w0.237: 100.34,113.73 100.17,113.73 99.9,114 99.4,114 98.88,114.52 97.55,114.52 97.17,114.9 97.17,115.67 96.9,115.95 96.53,115.95 96.2,116.27 96.2,116.7 95.92,116.97 95.45,116.97 95.2,116.72 95.2,115.96 v2(94.71,115.47)
RLD3_C3_72B_BA1: length 160.7
  TOP w0.15: v2(98.66,74.65) 99.15,74.16 ; U141.G5 v2(89.79,115.47) ; 74.63,116.8 v2(75.12,117.29)
  TOP w0.237: v2(88.81,107.6) 88.81,106.94
  05_SIG2 w0.258: v2(89.79,115.47) 89.79,114.66 90.28,114.17 90.28,109.37 89.99,109.08 89.59,109.08 89.3,108.79 89.3,108.09 v2(88.81,107.6)
  07_SIG3 w0.17: v2(98.66,74.65) 98.13,75.17 98.13,75.88 97.88,76.12 97.47,76.12 97.15,76.45 97.15,77.92 96.98,78.09 96.43,78.09 96.2,78.33 96.2,78.79 95.91,79.08 95.5,79.08 95.21,79.37 95.21,79.77 94.93,80.06 94.44,80.06 94.23,80.27 94.23,80.76 93.94,81.05 93.08,81.05 92.9,81.23 ; v2(89.79,115.47) 89.79,115.1 89.19,114.5 85.13,114.5 82.88,116.76 82.88,117 82.96,117.09 83.24,117.09 83.33,117.18 83.33,117.46 83.27,117.53 82.98,117.53 82.88,117.63 82.88,117.86 82.97,117.95 83.3,117.95 83.38,118.04 83.38,118.29 83.3,118.37 82.96,118.37 82.88,118.46 82.88,118.71 82.79,118.79 81.67,118.79 81.58,118.88 81.58,119.07 81.68,119.17 82.78,119.17 82.9,119.29 82.9,120.08 82.62,120.35 81.88,120.35 81.74,120.49 81.74,121.36 81.81,121.43 82.68,121.43 82.78,121.52 82.78,121.74 82.69,121.83 81.85,121.83 81.76,121.91 81.76,122.13 81.84,122.21 82.65,122.21 82.74,122.31 82.74,122.5 82.63,122.61 81.79,122.61 81.75,122.65 81.75,122.75 81.7,122.8 81.44,122.8 81.36,122.71 81.36,120.81 81.27,120.72 81.09,120.72 80.97,120.85 80.97,122.7 80.87,122.8 80.24,122.8 80.1,122.66 80.1,121.99 80.19,121.9 80.46,121.9 80.53,121.83 80.53,119.94 80.35,119.75 79.7,119.75 79.55,119.6 79.55,118.03 79.3,117.78 78.77,117.78 78.57,117.98 78.57,118.63 78.43,118.77 76.74,118.77 76.6,118.62 76.6,118.05 76.33,117.78 75.61,117.78 v2(75.12,117.29) 74.49,117.92 74.15,117.92 73.92,117.7 73.92,116.92 73.8,116.8 71.95,116.8 71.67,117.08 71.67,117.62 71.5,117.8 70.99,117.8 70.71,118.08 70.71,118.52 70.93,118.75 71.52,118.75 71.67,118.91 71.67,120.47 71.4,120.75 68.86,120.75 68.74,120.62 68.74,119.9 68.87,119.77 70.39,119.77 70.68,119.48 70.68,119.06 70.38,118.77 68.99,118.77 68.72,118.5 68.72,118.02 68.95,117.8 70.4,117.8 70.67,117.52 70.67,117.08 70.4,116.8 68.92,116.8 68.72,116.6 68.72,116 68.9,115.83 69.5,115.83 69.69,115.63 69.69,114.85 69.52,114.68 68.72,114.68 68.55,114.51 68.55,114.17 68.72,114 69.52,114 69.69,113.83 69.69,113.05 69.88,112.86 70.4,112.86 70.65,113.11 70.65,113.13 70.68,113.16 70.68,113.85 70.85,114.02 71.06,114.02 71.22,114.19 71.22,114.53 71.06,114.7 70.85,114.7 70.68,114.87 70.68,116.53 70.95,116.8 71.42,116.8 71.66,116.56 71.66,114.64 71.83,114.47 72.7,114.47 72.91,114.27 72.91,114.03 72.74,113.86 71.9,113.86 71.66,113.62 71.66,113.08 71.88,112.86 72.38,112.86 72.66,112.59 72.66,112.14 72.92,111.88 73.5,111.88 73.67,111.71 73.67,111.15 73.81,111.02 74.39,111.02 74.63,111.26 74.63,111.79 74.72,111.88 75.38,111.88 75.62,111.63 75.62,111.15 75.88,110.89 77.29,110.89 77.58,110.6 77.58,110.2 77.87,109.91 79.24,109.91 79.54,109.61 79.54,109.05 79.4,108.91 78.7,108.91 78.57,108.77 78.57,108.18 78.81,107.94 80.3,107.94 80.58,107.66 80.58,107.1